# Altium PCB Minion.PcbDoc (part 1 of 10) (continued)
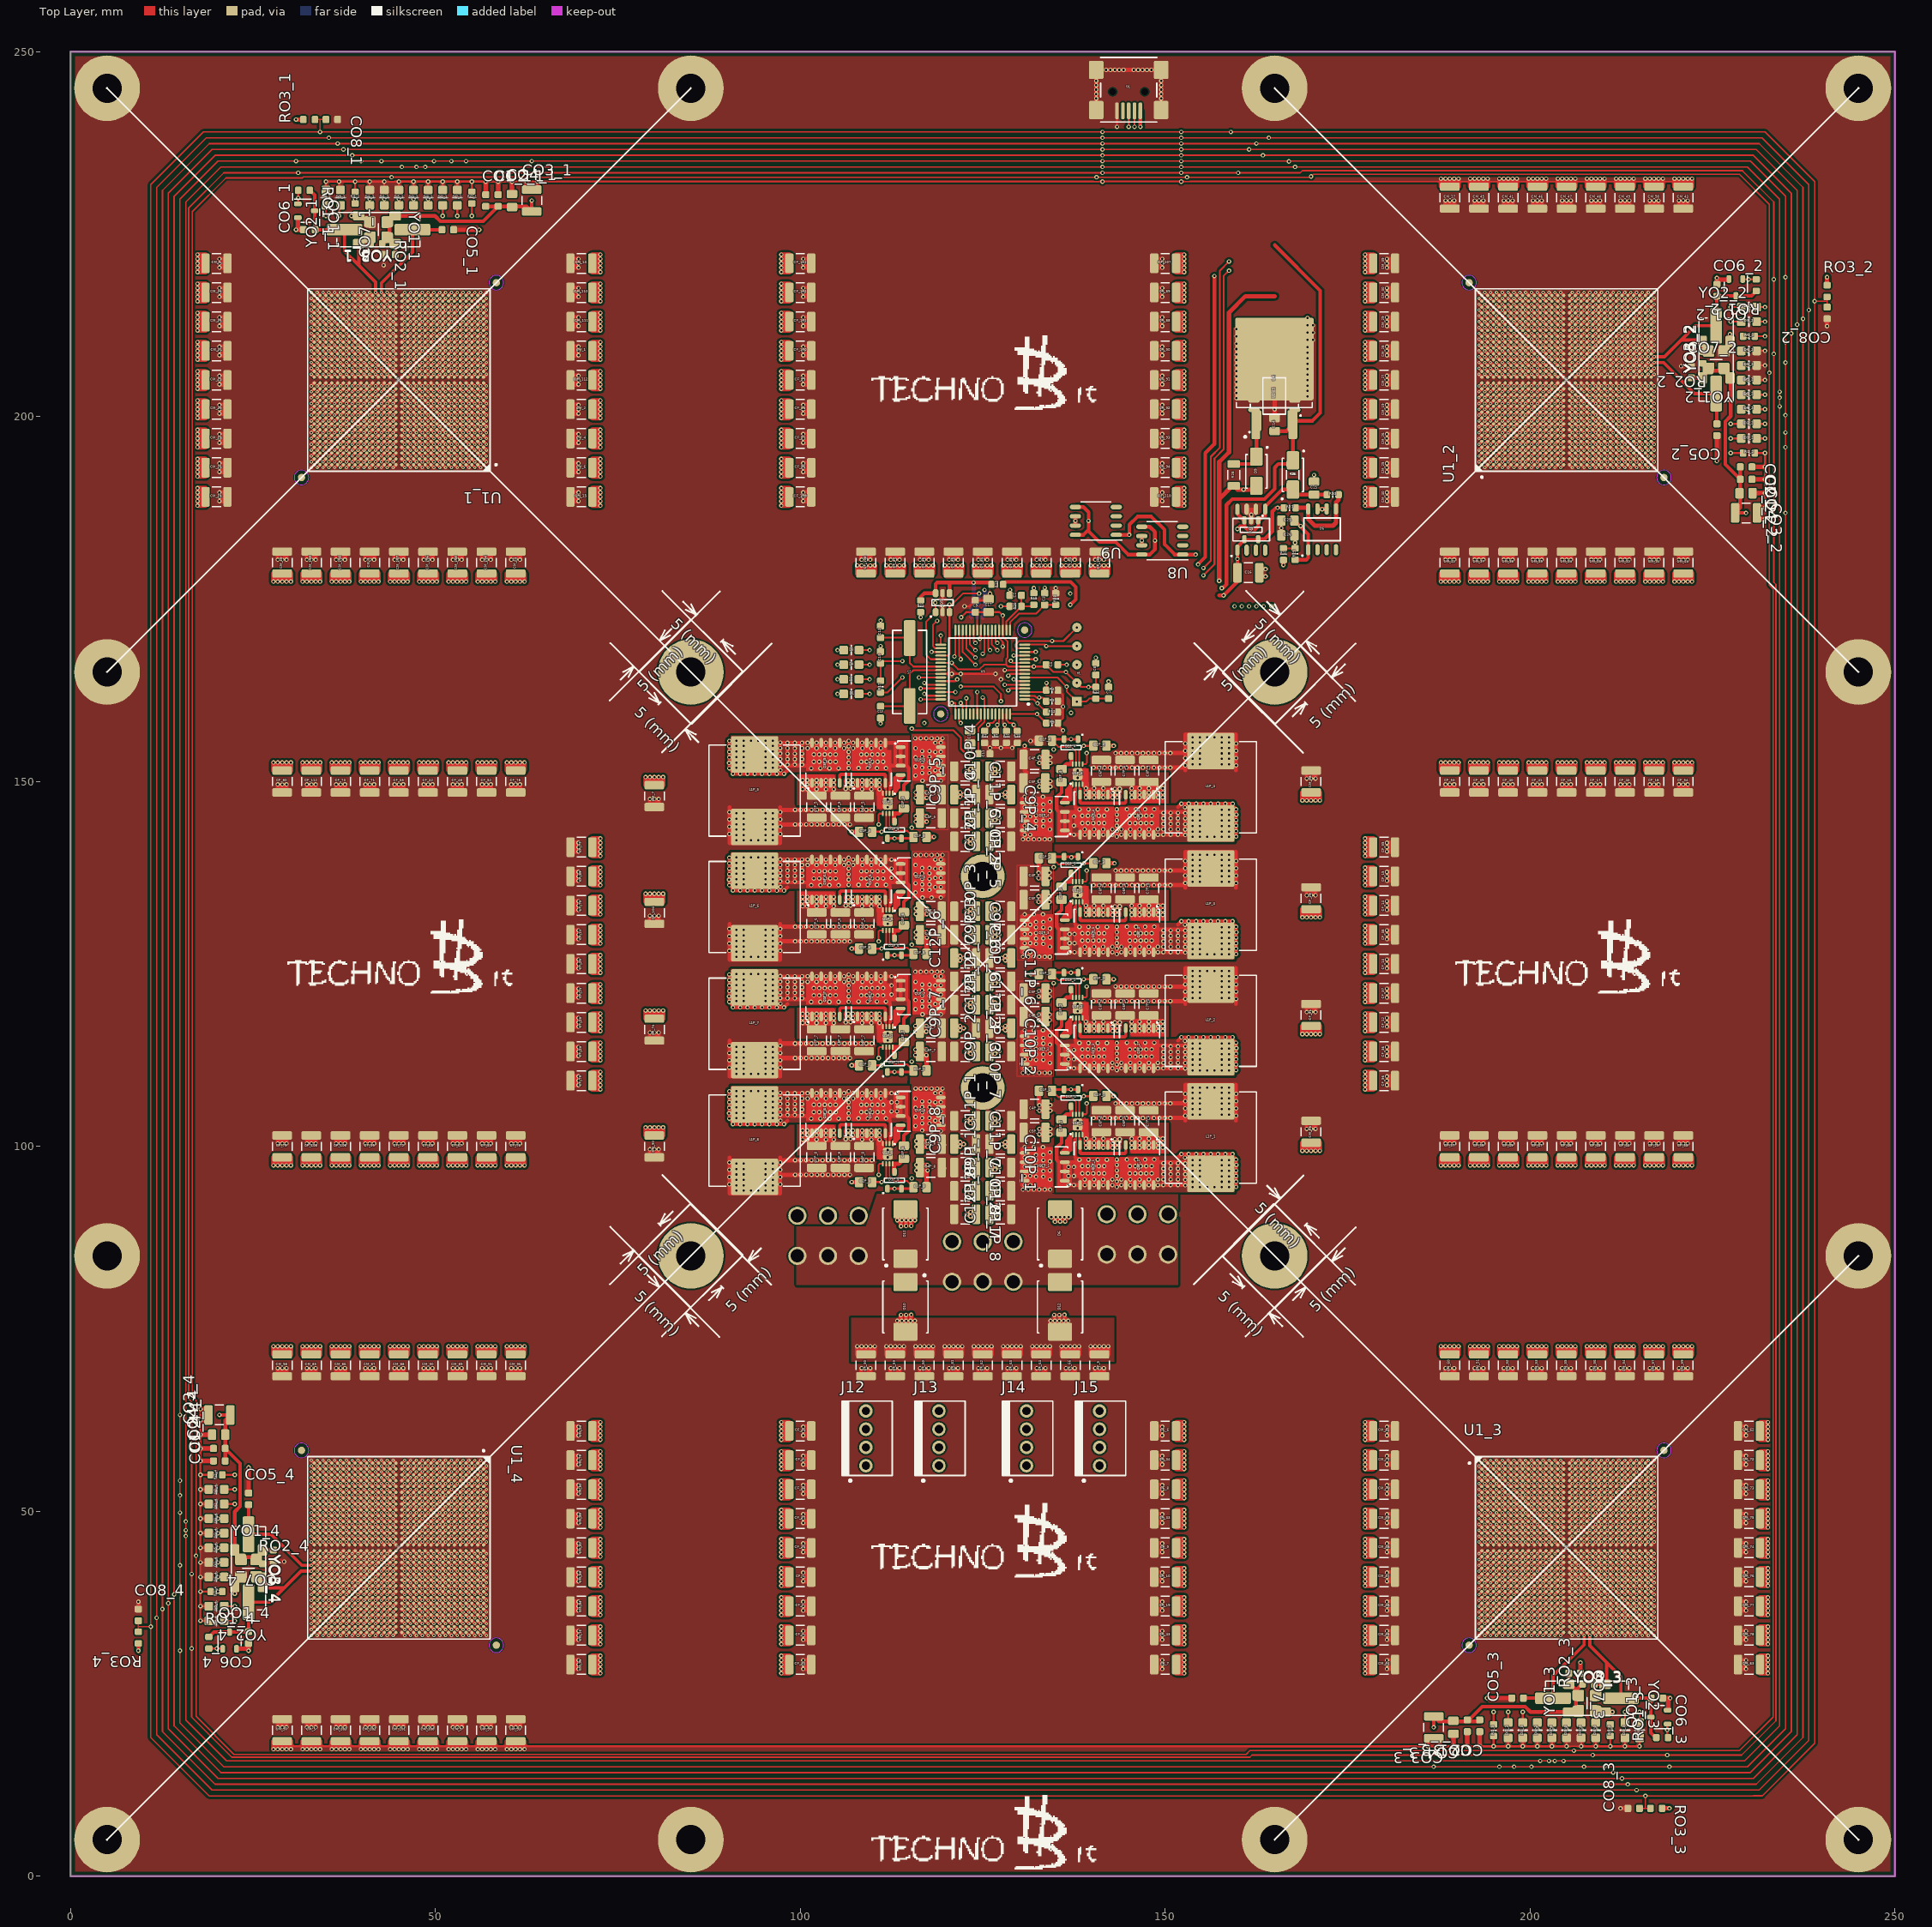
[diagram p0: Top Layer view]
## Components (designator, comment, footprint, x,y, rotation, side; value= is the part's Value field where it differs from the comment)
C1 "10uF/16V" SMD_0805_CAPC2012X145N 123.25,156.1 r270 top
C1P_1 "10uF/16V" SMD_0805_CAPC2012X145N 133.6,107.6 r0 top locked
C1P_2 "10uF/16V" SMD_0805_CAPC2012X145N 133.6,123.6 r0 top locked
C1P_3 "10uF/16V" SMD_0805_CAPC2012X145N 133.6,139.5 r0 top
C1P_4 "10uF/16V" SMD_0805_CAPC2012X145N 133.6,155.6 r0 top
C1P_5 "10uF/16V" SMD_0805_CAPC2012X145N 116.4,142.4 r180 top
C1P_6 "10uF/16V" SMD_0805_CAPC2012X145N 116.4,126.4 r180 top
C1P_7 "10uF/16V" SMD_0805_CAPC2012X145N 116.4,110.4 r180 top
C1P_8 "10uF/16V" SMD_0805_CAPC2012X145N 116.4,94.4 r180 top
C2 "1nF" SMD_0603_CAPC1608X80N 129.5,175.5 r180 top
C2P_1 "1uF/16V" SMD_0805_CAPC2012X145N 141.05,106.9 r0 top locked
C2P_2 "1uF/16V" SMD_0805_CAPC2012X145N 141.05,122.9 r0 top locked
C2P_3 "1uF/16V" SMD_0805_CAPC2012X145N 141.05,138.8 r0 top locked
C2P_4 "1uF/16V" SMD_0805_CAPC2012X145N 141.05,154.9 r0 top
C2P_5 "1uF/16V" SMD_0805_CAPC2012X145N 108.95,143.1 r180 top
C2P_6 "1uF/16V" SMD_0805_CAPC2012X145N 108.95,127.1 r180 top
C2P_7 "1uF/16V" SMD_0805_CAPC2012X145N 108.95,111.1 r180 top
C2P_8 "1uF/16V" SMD_0805_CAPC2012X145N 108.95,95.1 r180 top
C3 "1nF" SMD_0603_CAPC1608X80N 133.5,175 r90 top
C3P_1 "100nF/50V" SMD_0805_CAPC2012X145N 135.8,102.8 r270 top locked
C3P_2 "100nF/50V" SMD_0805_CAPC2012X145N 135.8,118.8 r270 top locked
C3P_3 "100nF/50V" SMD_0805_CAPC2012X145N 135.8,134.7 r270 top locked
C3P_4 "100nF/50V" SMD_0805_CAPC2012X145N 135.8,150.8 r270 top
C3P_5 "100nF/50V" SMD_0805_CAPC2012X145N 114.2,147.2 r90 top
C3P_6 "100nF/50V" SMD_0805_CAPC2012X145N 114.2,131.2 r90 top
C3P_7 "100nF/50V" SMD_0805_CAPC2012X145N 114.2,115.2 r90 top
C3P_8 "100nF/50V" SMD_0805_CAPC2012X145N 114.2,99.2 r90 top
C4 "100nF" SMD_0603_CAPC1608X80N 134.5,166 r0 top
C4P_1 "100uF" SMD_1210_CAPC3225X279N 132.1,105.1 r0 top
C4P_2 "100uF" SMD_1210_CAPC3225X279N 132.1,117.8 r0 top
C4P_3 "100uF" SMD_1210_CAPC3225X279N 132.1,137 r0 top
C4P_4 "100uF" SMD_1210_CAPC3225X279N 132.1,153 r0 top
C4P_5 "100uF" SMD_1210_CAPC3225X279N 117.9,145 r180 top
C4P_6 "100uF" SMD_1210_CAPC3225X279N 117.9,129 r180 top
C4P_7 "100uF" SMD_1210_CAPC3225X279N 117.9,116.2 r180 top
C4P_8 "100uF" SMD_1210_CAPC3225X279N 117.9,97.1 r180 top
C5P_1 "100uF" SMD_1210_CAPC3225X279N 132.1,101.9 r0 top
C5P_2 "100uF" SMD_1210_CAPC3225X279N 132.1,121 r0 top
C5P_3 "100uF" SMD_1210_CAPC3225X279N 132.1,133.8 r0 top
C5P_4 "100uF" SMD_1210_CAPC3225X279N 132.075,149.8 r0 top
C5P_5 "100uF" SMD_1210_CAPC3225X279N 117.9,148.2 r180 top
C5P_6 "100uF" SMD_1210_CAPC3225X279N 117.9,132.2 r180 top
C5P_7 "100uF" SMD_1210_CAPC3225X279N 117.9,113 r180 top
C5P_8 "100uF" SMD_1210_CAPC3225X279N 117.9,100.3 r180 top
C6P_1 "220uF" SMD_1210_CAPC3225X279N 144.5,103.45 r270 top
C6P_2 "220uF" SMD_1210_CAPC3225X279N 144.5,119.45 r270 top
C6P_3 "220uF" SMD_1210_CAPC3225X279N 144.5,135.35 r270 top
C6P_4 "220uF" SMD_1210_CAPC3225X279N 141.25,151.45 r270 top
C6P_5 "220uF" SMD_1210_CAPC3225X279N 105.5,146.55 r90 top
C6P_6 "220uF" SMD_1210_CAPC3225X279N 105.5,130.55 r90 top
C6P_7 "220uF" SMD_1210_CAPC3225X279N 105.5,114.55 r90 top
C6P_8 "220uF" SMD_1210_CAPC3225X279N 105.5,98.55 r90 top
C7 "100nF" SMD_0603_CAPC1608X80N 142.25,162.15 r90 top
C7P_1 "220uF" SMD_1210_CAPC3225X279N 147.75,103.45 r270 top
C7P_2 "220uF" SMD_1210_CAPC3225X279N 147.75,119.45 r270 top
C7P_3 "220uF" SMD_1210_CAPC3225X279N 147.75,135.35 r270 top
C7P_4 "220uF" SMD_1210_CAPC3225X279N 144.5,151.45 r270 top
C7P_5 "220uF" SMD_1210_CAPC3225X279N 102.25,146.55 r90 top
C7P_6 "220uF" SMD_1210_CAPC3225X279N 102.25,130.55 r90 top
C7P_7 "220uF" SMD_1210_CAPC3225X279N 102.25,114.55 r90 top
C7P_8 "220uF" SMD_1210_CAPC3225X279N 102.25,98.55 r90 top
C8 "100nF" SMD_0603_CAPC1608X80N 140.5,165.4 r90 top
C8P_1 "220uF" SMD_1210_CAPC3225X279N 141.25,103.45 r270 top locked
C8P_2 "220uF" SMD_1210_CAPC3225X279N 141.25,119.45 r270 top locked
C8P_3 "220uF" SMD_1210_CAPC3225X279N 141.25,135.35 r270 top locked
C8P_4 "220uF" SMD_1210_CAPC3225X279N 147.75,151.45 r270 top
C8P_5 "220uF" SMD_1210_CAPC3225X279N 108.75,146.55 r90 top
C8P_6 "220uF" SMD_1210_CAPC3225X279N 108.75,130.55 r90 top
C8P_7 "220uF" SMD_1210_CAPC3225X279N 108.75,114.55 r90 top
C8P_8 "220uF" SMD_1210_CAPC3225X279N 108.75,98.55 r90 top
C9 "100nF" SMD_0603_CAPC1608X80N 124,174 r90 top
C9P_1 "100uF" SMD_1210_CAPC3225X279N 127.4,97.1 r180 top
C9P_2 "100uF" SMD_1210_CAPC3225X279N 127.4,113 r180 top
C9P_3 "100uF" SMD_1210_CAPC3225X279N 127.4,129 r180 top
C9P_4 "100uF" SMD_1210_CAPC3225X279N 127.4,148.2 r0 top
C9P_5 "100uF" SMD_1210_CAPC3225X279N 122.6,148.2 r180 top
C9P_6 "100uF" SMD_1210_CAPC3225X279N 122.6,132.2 r0 top
C9P_7 "100uF" SMD_1210_CAPC3225X279N 122.6,116.2 r180 top
C9P_8 "100uF" SMD_1210_CAPC3225X279N 122.6,100.326 r180 top
C10 "100nF" SMD_0603_CAPC1608X80N 111,167 r90 top
C10P_1 "100uF" SMD_1210_CAPC3225X279N 127.4,100.3 r0 top
C10P_2 "100uF" SMD_1210_CAPC3225X279N 127.4,116.2 r0 top
C10P_3 "100uF" SMD_1210_CAPC3225X279N 127.4,132.2 r180 top
C10P_4 "100uF" SMD_1210_CAPC3225X279N 127.4,151.4 r180 top
C10P_5 "100uF" SMD_1210_CAPC3225X279N 122.6,145 r0 top
C10P_6 "100uF" SMD_1210_CAPC3225X279N 122.6,129 r0 top
C10P_7 "100uF" SMD_1210_CAPC3225X279N 122.6,113 r0 top
C10P_8 "100uF" SMD_1210_CAPC3225X279N 122.6,97.1 r0 top
C11 "100nF" SMD_0603_CAPC1608X80N 125.2,153.8 r0 top
C11P_1 "100uF" SMD_1210_CAPC3225X279N 127.4,103.5 r180 top
C11P_2 "100uF" SMD_1210_CAPC3225X279N 127.4,122.6 r180 top
C11P_3 "100uF" SMD_1210_CAPC3225X279N 122.6,122.601 r0 top
C11P_4 "100uF" SMD_1210_CAPC3225X279N 127.4,145 r180 top
C11P_5 "100uF" SMD_1210_CAPC3225X279N 122.6,151.4 r0 top
C11P_6 "100uF" SMD_1210_CAPC3225X279N 127.4,125.8 r0 top
C11P_7 "100uF" SMD_1210_CAPC3225X279N 122.6,103.501 r0 top
C11P_8 "100uF" SMD_1210_CAPC3225X279N 122.6,90.7 r0 top
C12 "18pF" SMD_0603_CAPC1608X80N 111,170.5 r90 top
C12P_1 "100uF" SMD_1210_CAPC3225X279N 127.4,93.899 r180 top
C12P_2 "100uF" SMD_1210_CAPC3225X279N 127.4,119.399 r180 top
C12P_3 "100uF" SMD_1210_CAPC3225X279N 122.6,119.399 r0 top
C12P_4 "100uF" SMD_1210_CAPC3225X279N 127.4,141.8 r180 top
C12P_5 "100uF" SMD_1210_CAPC3225X279N 122.6,141.8 r0 top
C12P_6 "100uF" SMD_1210_CAPC3225X279N 122.6,125.8 r180 top
C12P_7 "100uF" SMD_1210_CAPC3225X279N 122.6,93.9 r0 top
C12P_8 "100uF" SMD_1210_CAPC3225X279N 127.4,90.7 r180 top
C13 "18pF" SMD_0603_CAPC1608X80N 111,159.5 r270 top
C14 "10uF/16V" SMD_0805_CAPC2012X145N 165,198.9 r90 top
C15 "10uF/16V" SMD_0805_CAPC2012X145N 170.4,190.2 r90 top
C16 "220uF" SMD_1210_CAPC3225X279N 161.4,178.6 r0 top
C17 "22uF/6.3V" SMD_0805_CAPC2012X145N 125.8,174.1 r90 top
C25 "22uF/6.3V" SMD_0805_CAPC2012X145N 166.812,185.75 r0 top
C26 "22uF/6.3V" SMD_0805_CAPC2012X145N 166.812,183.725 r180 top
CF_1 "(OPT)220uF" SMD_1210_CAPC3225X279N 100,41 r180 top
CF_2 "(OPT)220uF" SMD_1210_CAPC3225X279N 100,37 r180 top
CF_3 "(OPT)220uF" SMD_1210_CAPC3225X279N 100,33 r180 top
CF_4 "(OPT)220uF" SMD_1210_CAPC3225X279N 100,57 r180 top
CF_5 "(OPT)220uF" SMD_1210_CAPC3225X279N 141,70 r90 top
CF_6 "(OPT)220uF" SMD_1210_CAPC3225X279N 150,61 r0 top
CF_7 "(OPT)220uF" SMD_1210_CAPC3225X279N 150,29 r0 top
CF_8 "(OPT)220uF" SMD_1210_CAPC3225X279N 150,53 r0 top
CF_9 "(OPT)220uF" SMD_1210_CAPC3225X279N 150,45 r0 top
CF_10 "(OPT)220uF" SMD_1210_CAPC3225X279N 150,41 r0 top
CF_11 "(OPT)220uF" SMD_1210_CAPC3225X279N 70,129 r0 top
CF_12 "(OPT)220uF" SMD_1210_CAPC3225X279N 180,117 r180 top
CF_13 "(OPT)220uF" SMD_1210_CAPC3225X279N 180,125 r180 top
CF_14 "(OPT)220uF" SMD_1210_CAPC3225X279N 180,133 r180 top
CF_15 "(OPT)220uF" SMD_1210_CAPC3225X279N 180,137 r180 top
CF_16 "(OPT)220uF" SMD_1210_CAPC3225X279N 205,150 r90 top
CF_17 "(OPT)220uF" SMD_1210_CAPC3225X279N 209,150 r90 top
CF_18 "(OPT)220uF" SMD_1210_CAPC3225X279N 217,150 r90 top
CF_19 "(OPT)220uF" SMD_1210_CAPC3225X279N 150,37 r0 top
CF_20 "(OPT)220uF" SMD_1210_CAPC3225X279N 70,125 r0 top
CF_21 "(OPT)220uF" SMD_1210_CAPC3225X279N 70,121 r0 top
CF_22 "(OPT)220uF" SMD_1210_CAPC3225X279N 49,150 r90 top
CF_23 "(OPT)220uF" SMD_1210_CAPC3225X279N 70,117 r0 top
CF_24 "(OPT)220uF" SMD_1210_CAPC3225X279N 70,113 r0 top
CF_25 "(OPT)220uF" SMD_1210_CAPC3225X279N 217,100 r270 top
CF_26 "(OPT)220uF" SMD_1210_CAPC3225X279N 100,45 r180 top
CF_27 "(OPT)220uF" SMD_1210_CAPC3225X279N 100,49 r180 top
CF_28 "(OPT)220uF" SMD_1210_CAPC3225X279N 100,53 r180 top
CF_29 "(OPT)220uF" SMD_1210_CAPC3225X279N 170,134 r270 top
CF_30 "(OPT)220uF" SMD_1210_CAPC3225X279N 109,70 r90 top
CF_31 "(OPT)220uF" SMD_1210_CAPC3225X279N 100,61 r180 top
CF_32 "(OPT)220uF" SMD_1210_CAPC3225X279N 100,29 r180 top
CF_33 "(OPT)220uF" SMD_1210_CAPC3225X279N 150,49 r0 top
CF_34 "(OPT)220uF" SMD_1210_CAPC3225X279N 150,57 r0 top
CF_35 "(OPT)220uF" SMD_1210_CAPC3225X279N 57,100 r270 top
CF_36 "(OPT)220uF" SMD_1210_CAPC3225X279N 180,113 r180 top
CF_37 "(OPT)220uF" SMD_1210_CAPC3225X279N 180,121 r180 top
CF_38 "(OPT)220uF" SMD_1210_CAPC3225X279N 180,129 r180 top
CF_39 "(OPT)220uF" SMD_1210_CAPC3225X279N 193,150 r90 top
CF_40 "(OPT)220uF" SMD_1210_CAPC3225X279N 197,150 r90 top
CF_41 "(OPT)220uF" SMD_1210_CAPC3225X279N 201,150 r90 top
CF_42 "(OPT)220uF" SMD_1210_CAPC3225X279N 213,150 r90 top
CF_43 "(OPT)220uF" SMD_1210_CAPC3225X279N 150,33 r0 top
CF_44 "(OPT)220uF" SMD_1210_CAPC3225X279N 213,100 r270 top
CF_45 "(OPT)220uF" SMD_1210_CAPC3225X279N 209,100 r270 top
CF_46 "(OPT)220uF" SMD_1210_CAPC3225X279N 205,100 r270 top
CF_47 "(OPT)220uF" SMD_1210_CAPC3225X279N 201,100 r270 top
CF_48 "(OPT)220uF" SMD_1210_CAPC3225X279N 53,150 r90 top
CF_49 "(OPT)220uF" SMD_1210_CAPC3225X279N 197,100 r270 top
CF_50 "(OPT)220uF" SMD_1210_CAPC3225X279N 193,100 r270 top
CF_51 "(OPT)220uF" SMD_1210_CAPC3225X279N 170,118 r270 top
CF_52 "(OPT)220uF" SMD_1210_CAPC3225X279N 57,150 r90 top
CF_53 "(OPT)220uF" SMD_1210_CAPC3225X279N 189,150 r90 top
CF_54 "(OPT)220uF" SMD_1210_CAPC3225X279N 221,150 r90 top
CF_55 "(OPT)220uF" SMD_1210_CAPC3225X279N 180,141 r180 top
CF_56 "(OPT)220uF" SMD_1210_CAPC3225X279N 180,109 r180 top
CF_57 "(OPT)220uF" SMD_1210_CAPC3225X279N 189,100 r270 top
CF_58 "(OPT)220uF" SMD_1210_CAPC3225X279N 221,100 r270 top
CF_59 "(OPT)220uF" SMD_1210_CAPC3225X279N 113,70 r90 top
CF_60 "(OPT)220uF" SMD_1210_CAPC3225X279N 117,70 r90 top
CF_61 "(OPT)220uF" SMD_1210_CAPC3225X279N 121,70 r90 top
CF_62 "(OPT)220uF" SMD_1210_CAPC3225X279N 125,70 r90 top
CF_63 "(OPT)220uF" SMD_1210_CAPC3225X279N 129,70 r90 top
CF_64 "(OPT)220uF" SMD_1210_CAPC3225X279N 133,70 r90 top
CF_65 "(OPT)220uF" SMD_1210_CAPC3225X279N 45,150 r90 top
CF_66 "(OPT)220uF" SMD_1210_CAPC3225X279N 137,70 r90 top
CF_67 "(OPT)220uF" SMD_1210_CAPC3225X279N 53,100 r270 top
CF_68 "(OPT)220uF" SMD_1210_CAPC3225X279N 49,100 r270 top
CF_69 "(OPT)220uF" SMD_1210_CAPC3225X279N 70,137 r0 top
CF_70 "(OPT)220uF" SMD_1210_CAPC3225X279N 70,133 r0 top
CF_71 "(OPT)220uF" SMD_1210_CAPC3225X279N 41,150 r90 top
CF_72 "(OPT)220uF" SMD_1210_CAPC3225X279N 45,100 r270 top
CF_73 "(OPT)220uF" SMD_1210_CAPC3225X279N 37,150 r90 top
CF_74 "(OPT)220uF" SMD_1210_CAPC3225X279N 80,116 r90 top
CF_75 "(OPT)220uF" SMD_1210_CAPC3225X279N 70,109 r0 top
CF_76 "(OPT)220uF" SMD_1210_CAPC3225X279N 61,100 r270 top
CF_77 "(OPT)220uF" SMD_1210_CAPC3225X279N 70,141 r0 top
CF_78 "(OPT)220uF" SMD_1210_CAPC3225X279N 61,150 r90 top
CF_79 "(OPT)220uF" SMD_1210_CAPC3225X279N 29,100 r270 top
CF_80 "(OPT)220uF" SMD_1210_CAPC3225X279N 29,150 r90 top
CF_81 "(OPT)220uF" SMD_1210_CAPC3225X279N 137,180 r270 top
CF_82 "(OPT)220uF" SMD_1210_CAPC3225X279N 133,180 r270 top
CF_83 "(OPT)220uF" SMD_1210_CAPC3225X279N 129,180 r270 top
CF_84 "(OPT)220uF" SMD_1210_CAPC3225X279N 125,180 r270 top
CF_85 "(OPT)220uF" SMD_1210_CAPC3225X279N 121,180 r270 top
CF_86 "(OPT)220uF" SMD_1210_CAPC3225X279N 117,180 r270 top
CF_87 "(OPT)220uF" SMD_1210_CAPC3225X279N 113,180 r270 top
CF_88 "(OPT)220uF" SMD_1210_CAPC3225X279N 150,213 r0 top
CF_89 "(OPT)220uF" SMD_1210_CAPC3225X279N 150,217 r0 top
CF_90 "(OPT)220uF" SMD_1210_CAPC3225X279N 150,209 r0 top
CF_91 "(OPT)220uF" SMD_1210_CAPC3225X279N 150,205 r0 top
CF_92 "(OPT)220uF" SMD_1210_CAPC3225X279N 150,201 r0 top
CF_93 "(OPT)220uF" SMD_1210_CAPC3225X279N 150,197 r0 top
CF_94 "(OPT)220uF" SMD_1210_CAPC3225X279N 150,193 r0 top
CF_95 "(OPT)220uF" SMD_1210_CAPC3225X279N 41,100 r270 top
CF_96 "(OPT)220uF" SMD_1210_CAPC3225X279N 100,193 r180 top
CF_97 "(OPT)220uF" SMD_1210_CAPC3225X279N 100,197 r180 top
CF_98 "(OPT)220uF" SMD_1210_CAPC3225X279N 100,201 r180 top
CF_99 "(OPT)220uF" SMD_1210_CAPC3225X279N 100,205 r180 top
CF_100 "(OPT)220uF" SMD_1210_CAPC3225X279N 100,209 r180 top
CF_101 "(OPT)220uF" SMD_1210_CAPC3225X279N 100,213 r180 top
CF_102 "(OPT)220uF" SMD_1210_CAPC3225X279N 100,217 r180 top
CF_103 "(OPT)220uF" SMD_1210_CAPC3225X279N 109,180 r270 top
CF_104 "(OPT)220uF" SMD_1210_CAPC3225X279N 80,132 r90 top
CF_105 "(OPT)220uF" SMD_1210_CAPC3225X279N 141,180 r270 top
CF_106 "(OPT)220uF" SMD_1210_CAPC3225X279N 37,100 r270 top
CF_107 "(OPT)220uF" SMD_1210_CAPC3225X279N 150,221 r0 top
CF_108 "(OPT)220uF" SMD_1210_CAPC3225X279N 33,100 r270 top
CF_109 "(OPT)220uF" SMD_1210_CAPC3225X279N 100,189 r180 top
CF_110 "(OPT)220uF" SMD_1210_CAPC3225X279N 150,189 r0 top
CF_111 "(OPT)220uF" SMD_1210_CAPC3225X279N 100,221 r180 top
CF_112 "(OPT)220uF" SMD_1210_CAPC3225X279N 33,150 r90 top
CM_1 "(OPT)220uF" SMD_1210_CAPC3225X279N 70,209 r0 top
CM_2 "(OPT)220uF" SMD_1210_CAPC3225X279N 70,201 r0 top
CM_3 "(OPT)220uF" SMD_1210_CAPC3225X279N 41,180 r270 top
CM_4 "(OPT)220uF" SMD_1210_CAPC3225X279N 70,197 r0 top
CM_5 "(OPT)220uF" SMD_1210_CAPC3225X279N 33,20 r270 top
CM_6 "(OPT)220uF" SMD_1210_CAPC3225X279N 70,193 r0 top
CM_7 "(OPT)220uF" SMD_1210_CAPC3225X279N 80,148 r90 top
CM_8 "(OPT)220uF" SMD_1210_CAPC3225X279N 20,221 r180 top
CM_9 "(OPT)220uF" SMD_1210_CAPC3225X279N 53,20 r270 top
CM_10 "(OPT)220uF" SMD_1210_CAPC3225X279N 29,180 r270 top
CM_11 "(OPT)220uF" SMD_1210_CAPC3225X279N 70,33 r0 top
CM_12 "(OPT)220uF" SMD_1210_CAPC3225X279N 61,180 r270 top
CM_13 "(OPT)220uF" SMD_1210_CAPC3225X279N 70,221 r0 top
CM_14 "(OPT)220uF" SMD_1210_CAPC3225X279N 20,189 r180 top
CM_15 "(OPT)220uF" SMD_1210_CAPC3225X279N 70,189 r0 top
CM_16 "(OPT)220uF" SMD_1210_CAPC3225X279N 20,193 r180 top
CM_17 "(OPT)220uF" SMD_1210_CAPC3225X279N 189,230 r90 top
CM_18 "(OPT)220uF" SMD_1210_CAPC3225X279N 20,197 r180 top
CM_19 "(OPT)220uF" SMD_1210_CAPC3225X279N 180,201 r180 top
CM_20 "(OPT)220uF" SMD_1210_CAPC3225X279N 20,201 r180 top
CM_21 "(OPT)220uF" SMD_1210_CAPC3225X279N 20,209 r180 top
CM_22 "(OPT)220uF" SMD_1210_CAPC3225X279N 20,205 r180 top
CM_23 "(OPT)220uF" SMD_1210_CAPC3225X279N 20,213 r180 top
CM_24 "(OPT)220uF" SMD_1210_CAPC3225X279N 20,217 r180 top
CM_25 "(OPT)220uF" SMD_1210_CAPC3225X279N 180,193 r180 top
CM_26 "(OPT)220uF" SMD_1210_CAPC3225X279N 180,197 r180 top
CM_27 "(OPT)220uF" SMD_1210_CAPC3225X279N 180,205 r180 top
CM_28 "(OPT)220uF" SMD_1210_CAPC3225X279N 180,209 r180 top
CM_29 "(OPT)220uF" SMD_1210_CAPC3225X279N 180,213 r180 top
CM_30 "(OPT)220uF" SMD_1210_CAPC3225X279N 180,217 r180 top
CM_31 "(OPT)220uF" SMD_1210_CAPC3225X279N 217,180 r270 top
CM_32 "(OPT)220uF" SMD_1210_CAPC3225X279N 213,180 r270 top
CM_33 "(OPT)220uF" SMD_1210_CAPC3225X279N 209,180 r270 top
CM_34 "(OPT)220uF" SMD_1210_CAPC3225X279N 205,180 r270 top
CM_35 "(OPT)220uF" SMD_1210_CAPC3225X279N 201,180 r270 top
CM_36 "(OPT)220uF" SMD_1210_CAPC3225X279N 197,180 r270 top
CM_37 "(OPT)220uF" SMD_1210_CAPC3225X279N 193,180 r270 top
CM_38 "(OPT)220uF" SMD_1210_CAPC3225X279N 170,150 r270 top
CM_39 "(OPT)220uF" SMD_1210_CAPC3225X279N 180,221 r180 top
CM_40 "(OPT)220uF" SMD_1210_CAPC3225X279N 180,189 r180 top
CM_41 "(OPT)220uF" SMD_1210_CAPC3225X279N 197,230 r90 top
CM_42 "(OPT)220uF" SMD_1210_CAPC3225X279N 189,180 r270 top
CM_43 "(OPT)220uF" SMD_1210_CAPC3225X279N 221,230 r90 top
CM_44 "(OPT)220uF" SMD_1210_CAPC3225X279N 221,180 r270 top
CM_45 "(OPT)220uF" SMD_1210_CAPC3225X279N 193,230 r90 top
CM_46 "(OPT)220uF" SMD_1210_CAPC3225X279N 201,230 r90 top
CM_47 "(OPT)220uF" SMD_1210_CAPC3225X279N 205,230 r90 top
CM_48 "(OPT)220uF" SMD_1210_CAPC3225X279N 209,230 r90 top
CM_49 "(OPT)220uF" SMD_1210_CAPC3225X279N 213,230 r90 top
CM_50 "(OPT)220uF" SMD_1210_CAPC3225X279N 217,230 r90 top
CM_51 "(OPT)220uF" SMD_1210_CAPC3225X279N 193,70 r90 top
CM_52 "(OPT)220uF" SMD_1210_CAPC3225X279N 197,70 r90 top
CM_53 "(OPT)220uF" SMD_1210_CAPC3225X279N 201,70 r90 top
CM_54 "(OPT)220uF" SMD_1210_CAPC3225X279N 213,70 r90 top
CM_55 "(OPT)220uF" SMD_1210_CAPC3225X279N 205,70 r90 top
CM_56 "(OPT)220uF" SMD_1210_CAPC3225X279N 209,70 r90 top
CM_57 "(OPT)220uF" SMD_1210_CAPC3225X279N 217,70 r90 top
CM_58 "(OPT)220uF" SMD_1210_CAPC3225X279N 170,102 r270 top
CM_59 "(OPT)220uF" SMD_1210_CAPC3225X279N 221,70 r90 top
CM_60 "(OPT)220uF" SMD_1210_CAPC3225X279N 189,70 r90 top
CM_61 "(OPT)220uF" SMD_1210_CAPC3225X279N 180,61 r180 top
CM_62 "(OPT)220uF" SMD_1210_CAPC3225X279N 230,61 r0 top
CM_63 "(OPT)220uF" SMD_1210_CAPC3225X279N 230,29 r0 top
CM_64 "(OPT)220uF" SMD_1210_CAPC3225X279N 180,29 r180 top
CM_65 "(OPT)220uF" SMD_1210_CAPC3225X279N 180,33 r180 top
CM_66 "(OPT)220uF" SMD_1210_CAPC3225X279N 180,37 r180 top
CM_67 "(OPT)220uF" SMD_1210_CAPC3225X279N 180,41 r180 top
CM_68 "(OPT)220uF" SMD_1210_CAPC3225X279N 180,45 r180 top
CM_69 "(OPT)220uF" SMD_1210_CAPC3225X279N 180,49 r180 top
CM_70 "(OPT)220uF" SMD_1210_CAPC3225X279N 180,53 r180 top
CM_71 "(OPT)220uF" SMD_1210_CAPC3225X279N 180,57 r180 top
CM_72 "(OPT)220uF" SMD_1210_CAPC3225X279N 230,57 r0 top
CM_73 "(OPT)220uF" SMD_1210_CAPC3225X279N 230,53 r0 top
CM_74 "(OPT)220uF" SMD_1210_CAPC3225X279N 230,45 r0 top
CM_75 "(OPT)220uF" SMD_1210_CAPC3225X279N 230,49 r0 top
CM_76 "(OPT)220uF" SMD_1210_CAPC3225X279N 230,41 r0 top
CM_77 "(OPT)220uF" SMD_1210_CAPC3225X279N 230,37 r0 top